# KiCad board protoboard-6x4-breakout.kicad_pcb (continued)
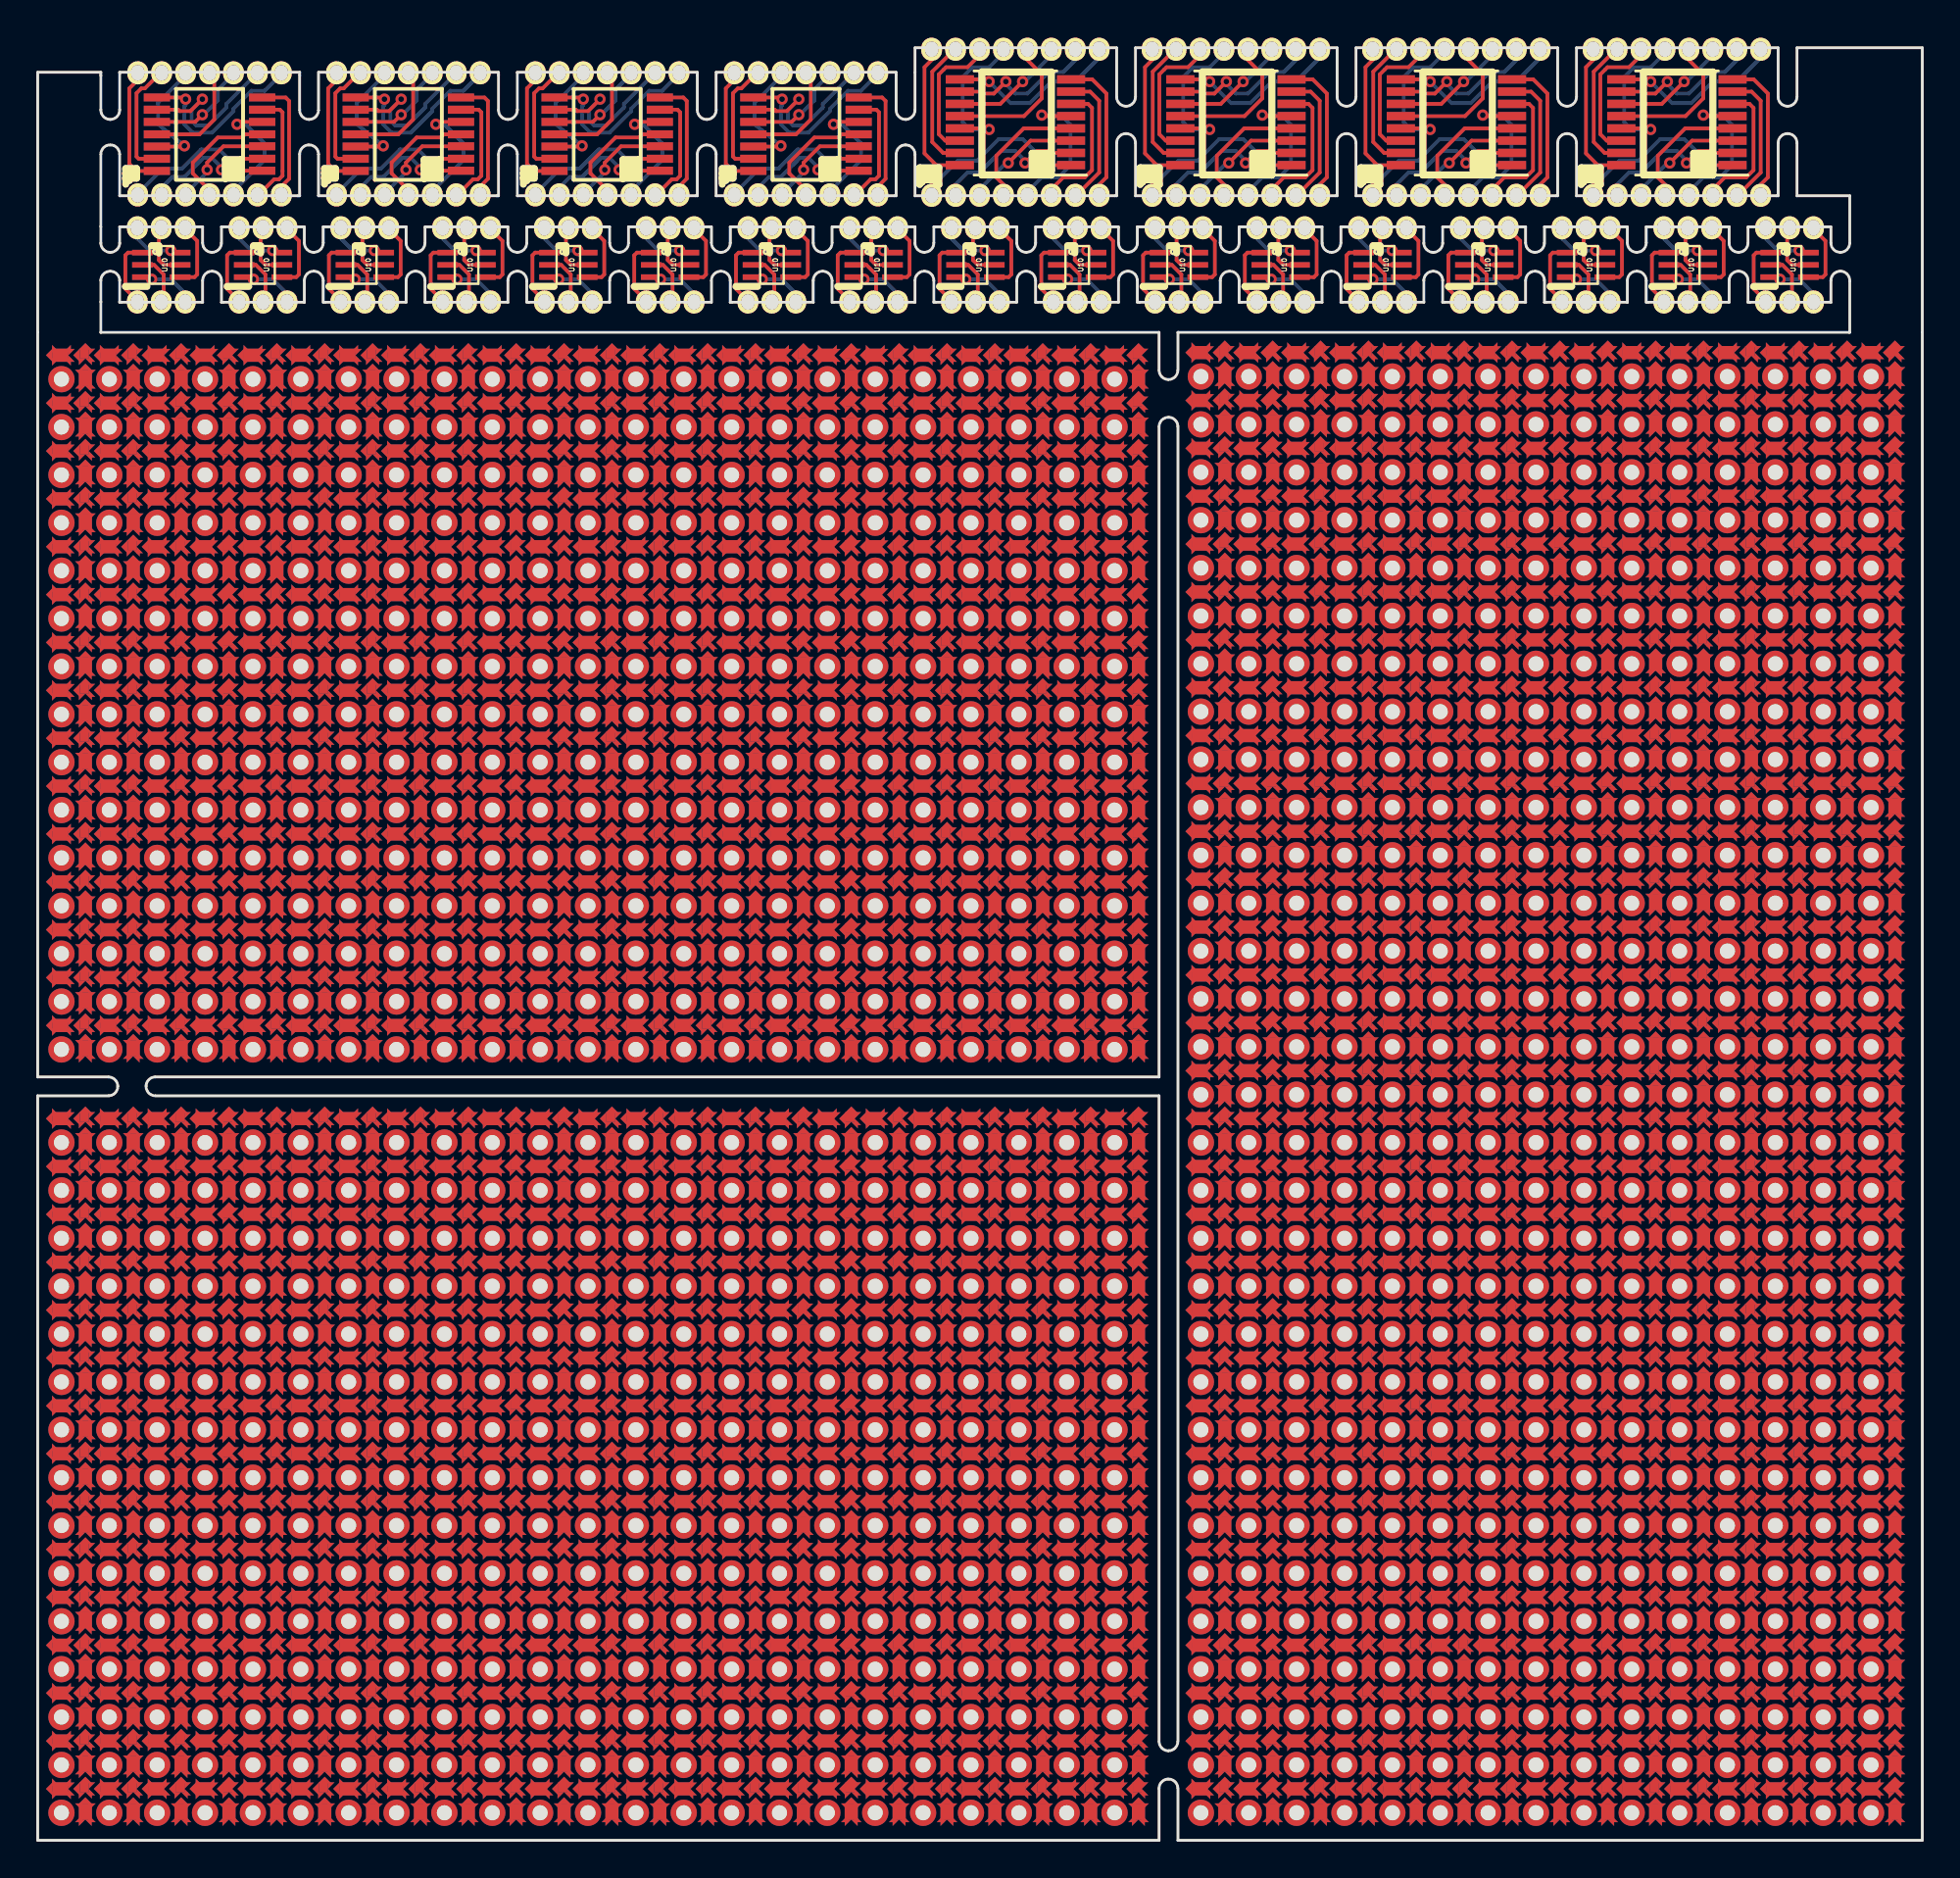
[diagram p0: board, top side]
## Placement (name value [footprint] x y rotation side) (continued)
REF**#3316  -  [tht-0.8]  76.96 34.48 0 top
REF**#3317  -  [tht-0.8]  79.5 34.48 0 top
REF**#3318  -  [tht-0.8]  82.04 34.48 0 top
REF**#3319  pad-between  [pad-between-spiked]  76.96 33.21 90 top
REF**#3320  pad-between  [pad-between-spiked]  79.5 33.21 90 top
REF**#3321  pad-between  [pad-between-spiked]  78.23 34.48 0 top
REF**#3322  pad-between  [pad-between-spiked]  78.23 31.94 0 top
REF**#3323  center-pad  [center-pad-spikes]  78.23 33.21 0 top
REF**#3324  center-pad  [center-pad-spikes]  80.77 33.21 0 top
REF**#3325  pad-between  [pad-between-spiked]  80.77 31.94 0 top
REF**#3326  pad-between  [pad-between-spiked]  80.77 34.48 0 top
REF**#3327  pad-between  [pad-between-spiked]  82.04 33.21 90 top
REF**#3328  pad-between  [pad-between-spiked]  83.31 34.48 0 top
REF**#3329  pad-between  [pad-between-spiked]  83.31 31.94 0 top
REF**#3330  center-pad  [center-pad-spikes]  83.31 33.21 0 top
REF**#3331  center-pad  [center-pad-spikes]  83.31 35.75 0 top
REF**#3332  pad-between  [pad-between-spiked]  82.04 35.75 90 top
REF**#3333  center-pad  [center-pad-spikes]  80.77 35.75 0 top
REF**#3334  center-pad  [center-pad-spikes]  78.23 35.75 0 top
REF**#3335  pad-between  [pad-between-spiked]  79.5 35.75 90 top
REF**#3336  pad-between  [pad-between-spiked]  76.96 35.75 90 top
REF**#3337  pad-between  [pad-between-spiked]  84.58 35.75 90 top
REF**#3338  pad-between  [pad-between-spiked]  87.12 35.75 90 top
REF**#3339  center-pad  [center-pad-spikes]  85.85 35.75 0 top
REF**#3340  center-pad  [center-pad-spikes]  88.39 35.75 0 top
REF**#3341  pad-between  [pad-between-spiked]  89.66 35.75 90 top
REF**#3342  center-pad  [center-pad-spikes]  90.93 35.75 0 top
REF**#3343  center-pad  [center-pad-spikes]  90.93 33.21 0 top
REF**#3344  pad-between  [pad-between-spiked]  90.93 31.94 0 top
REF**#3345  pad-between  [pad-between-spiked]  90.93 34.48 0 top
REF**#3346  pad-between  [pad-between-spiked]  89.66 33.21 90 top
REF**#3347  pad-between  [pad-between-spiked]  88.39 34.48 0 top
REF**#3348  pad-between  [pad-between-spiked]  88.39 31.94 0 top
REF**#3349  center-pad  [center-pad-spikes]  88.39 33.21 0 top
REF**#3350  center-pad  [center-pad-spikes]  85.85 33.21 0 top
REF**#3351  pad-between  [pad-between-spiked]  85.85 31.94 0 top
REF**#3352  pad-between  [pad-between-spiked]  85.85 34.48 0 top
REF**#3353  pad-between  [pad-between-spiked]  87.12 33.21 90 top
REF**#3354  pad-between  [pad-between-spiked]  84.58 33.21 90 top
REF**#3355  -  [tht-0.8]  89.66 34.48 0 top
REF**#3356  -  [tht-0.8]  87.12 34.48 0 top
REF**#3357  -  [tht-0.8]  84.58 34.48 0 top
REF**#3358  -  [tht-0.8]  84.58 31.94 0 top
REF**#3359  -  [tht-0.8]  87.12 31.94 0 top
REF**#3360  -  [tht-0.8]  89.66 31.94 0 top
REF**#3361  -  [tht-0.8]  89.66 37.02 0 top
REF**#3362  -  [tht-0.8]  87.12 37.02 0 top
REF**#3363  -  [tht-0.8]  84.58 37.02 0 top
REF**#3364  -  [tht-0.8]  84.58 39.56 0 top
REF**#3365  -  [tht-0.8]  87.12 39.56 0 top
REF**#3366  -  [tht-0.8]  89.66 39.56 0 top
REF**#3367  pad-between  [pad-between-spiked]  84.58 38.29 90 top
REF**#3368  pad-between  [pad-between-spiked]  87.12 38.29 90 top
REF**#3369  pad-between  [pad-between-spiked]  85.85 39.56 0 top
REF**#3370  pad-between  [pad-between-spiked]  85.85 37.02 0 top
REF**#3371  center-pad  [center-pad-spikes]  85.85 38.29 0 top
REF**#3372  center-pad  [center-pad-spikes]  88.39 38.29 0 top
REF**#3373  pad-between  [pad-between-spiked]  88.39 37.02 0 top
REF**#3374  pad-between  [pad-between-spiked]  88.39 39.56 0 top
REF**#3375  pad-between  [pad-between-spiked]  89.66 38.29 90 top
REF**#3376  pad-between  [pad-between-spiked]  90.93 39.56 0 top
REF**#3377  pad-between  [pad-between-spiked]  90.93 37.02 0 top
REF**#3378  center-pad  [center-pad-spikes]  90.93 38.29 0 top
REF**#3379  center-pad  [center-pad-spikes]  90.93 40.83 0 top
REF**#3380  pad-between  [pad-between-spiked]  89.66 40.83 90 top
REF**#3381  center-pad  [center-pad-spikes]  88.39 40.83 0 top
REF**#3382  center-pad  [center-pad-spikes]  85.85 40.83 0 top
REF**#3383  pad-between  [pad-between-spiked]  87.12 40.83 90 top
REF**#3384  pad-between  [pad-between-spiked]  84.58 40.83 90 top
REF**#3385  pad-between  [pad-between-spiked]  76.96 40.83 90 top
REF**#3386  pad-between  [pad-between-spiked]  79.5 40.83 90 top
REF**#3387  center-pad  [center-pad-spikes]  78.23 40.83 0 top
REF**#3388  center-pad  [center-pad-spikes]  80.77 40.83 0 top
REF**#3389  pad-between  [pad-between-spiked]  82.04 40.83 90 top
REF**#3390  center-pad  [center-pad-spikes]  83.31 40.83 0 top
REF**#3391  center-pad  [center-pad-spikes]  83.31 38.29 0 top
REF**#3392  pad-between  [pad-between-spiked]  83.31 37.02 0 top
REF**#3393  pad-between  [pad-between-spiked]  83.31 39.56 0 top
REF**#3394  pad-between  [pad-between-spiked]  82.04 38.29 90 top
REF**#3395  pad-between  [pad-between-spiked]  80.77 39.56 0 top
REF**#3396  pad-between  [pad-between-spiked]  80.77 37.02 0 top
REF**#3397  center-pad  [center-pad-spikes]  80.77 38.29 0 top
REF**#3398  center-pad  [center-pad-spikes]  78.23 38.29 0 top
REF**#3399  pad-between  [pad-between-spiked]  78.23 37.02 0 top
REF**#3400  pad-between  [pad-between-spiked]  78.23 39.56 0 top
REF**#3401  pad-between  [pad-between-spiked]  79.5 38.29 90 top
REF**#3402  pad-between  [pad-between-spiked]  76.96 38.29 90 top
REF**#3403  -  [tht-0.8]  82.04 39.56 0 top
REF**#3404  -  [tht-0.8]  79.5 39.56 0 top
REF**#3405  -  [tht-0.8]  76.96 39.56 0 top
REF**#3406  -  [tht-0.8]  76.96 37.02 0 top
REF**#3407  -  [tht-0.8]  79.5 37.02 0 top
REF**#3408  -  [tht-0.8]  82.04 37.02 0 top
REF**#3409  -  [tht-0.8]  74.42 37.02 0 top
REF**#3410  -  [tht-0.8]  71.88 37.02 0 top
REF**#3411  -  [tht-0.8]  69.34 37.02 0 top
REF**#3412  -  [tht-0.8]  69.34 39.56 0 top
REF**#3413  -  [tht-0.8]  71.88 39.56 0 top
REF**#3414  -  [tht-0.8]  74.42 39.56 0 top
REF**#3415  pad-between  [pad-between-spiked]  69.34 38.29 90 top
REF**#3416  pad-between  [pad-between-spiked]  71.88 38.29 90 top
REF**#3417  pad-between  [pad-between-spiked]  70.61 39.56 0 top
REF**#3418  pad-between  [pad-between-spiked]  70.61 37.02 0 top
REF**#3419  center-pad  [center-pad-spikes]  70.61 38.29 0 top
REF**#3420  center-pad  [center-pad-spikes]  73.15 38.29 0 top
REF**#3421  pad-between  [pad-between-spiked]  73.15 37.02 0 top
REF**#3422  pad-between  [pad-between-spiked]  73.15 39.56 0 top
REF**#3423  pad-between  [pad-between-spiked]  74.42 38.29 90 top
REF**#3424  pad-between  [pad-between-spiked]  75.69 39.56 0 top
REF**#3425  pad-between  [pad-between-spiked]  75.69 37.02 0 top
REF**#3426  center-pad  [center-pad-spikes]  75.69 38.29 0 top
REF**#3427  center-pad  [center-pad-spikes]  75.69 40.83 0 top
REF**#3428  pad-between  [pad-between-spiked]  74.42 40.83 90 top
REF**#3429  center-pad  [center-pad-spikes]  73.15 40.83 0 top
REF**#3430  center-pad  [center-pad-spikes]  70.61 40.83 0 top
REF**#3431  pad-between  [pad-between-spiked]  71.88 40.83 90 top
REF**#3432  pad-between  [pad-between-spiked]  69.34 40.83 90 top
REF**#3433  pad-between  [pad-between-spiked]  61.72 40.83 90 top
REF**#3434  pad-between  [pad-between-spiked]  64.26 40.83 90 top
REF**#3435  center-pad  [center-pad-spikes]  62.99 40.83 0 top
REF**#3436  center-pad  [center-pad-spikes]  65.53 40.83 0 top
REF**#3437  pad-between  [pad-between-spiked]  66.8 40.83 90 top
REF**#3438  center-pad  [center-pad-spikes]  68.07 40.83 0 top
REF**#3439  center-pad  [center-pad-spikes]  68.07 38.29 0 top
REF**#3440  pad-between  [pad-between-spiked]  68.07 37.02 0 top
REF**#3441  pad-between  [pad-between-spiked]  68.07 39.56 0 top
REF**#3442  pad-between  [pad-between-spiked]  66.8 38.29 90 top
REF**#3443  pad-between  [pad-between-spiked]  65.53 39.56 0 top
REF**#3444  pad-between  [pad-between-spiked]  65.53 37.02 0 top
REF**#3445  center-pad  [center-pad-spikes]  65.53 38.29 0 top
REF**#3446  center-pad  [center-pad-spikes]  62.99 38.29 0 top
REF**#3447  pad-between  [pad-between-spiked]  62.99 37.02 0 top
REF**#3448  pad-between  [pad-between-spiked]  62.99 39.56 0 top
REF**#3449  pad-between  [pad-between-spiked]  64.26 38.29 90 top
REF**#3450  pad-between  [pad-between-spiked]  61.72 38.29 90 top
REF**#3451  -  [tht-0.8]  66.8 39.56 0 top
REF**#3452  -  [tht-0.8]  64.26 39.56 0 top
REF**#3453  -  [tht-0.8]  61.72 39.56 0 top
REF**#3454  -  [tht-0.8]  61.72 37.02 0 top
REF**#3455  -  [tht-0.8]  64.26 37.02 0 top
REF**#3456  -  [tht-0.8]  66.8 37.02 0 top
REF**#3457  -  [tht-0.8]  97.28 37.02 0 top
REF**#3458  -  [tht-0.8]  94.74 37.02 0 top
REF**#3459  -  [tht-0.8]  92.2 37.02 0 top
REF**#3460  -  [tht-0.8]  92.2 39.56 0 top
REF**#3461  -  [tht-0.8]  94.74 39.56 0 top
REF**#3462  -  [tht-0.8]  97.28 39.56 0 top
REF**#3463  pad-between  [pad-between-spiked]  92.2 38.29 90 top
REF**#3464  pad-between  [pad-between-spiked]  94.74 38.29 90 top
REF**#3465  pad-between  [pad-between-spiked]  93.47 39.56 0 top
REF**#3466  pad-between  [pad-between-spiked]  93.47 37.02 0 top
REF**#3467  center-pad  [center-pad-spikes]  93.47 38.29 0 top
REF**#3468  center-pad  [center-pad-spikes]  96.01 38.29 0 top
REF**#3469  pad-between  [pad-between-spiked]  96.01 37.02 0 top
REF**#3470  pad-between  [pad-between-spiked]  96.01 39.56 0 top
REF**#3471  pad-between  [pad-between-spiked]  97.28 38.29 90 top
REF**#3472  pad-between  [pad-between-spiked]  98.55 39.56 0 top
REF**#3473  pad-between  [pad-between-spiked]  98.55 37.02 0 top
REF**#3474  center-pad  [center-pad-spikes]  98.55 38.29 0 top
REF**#3475  center-pad  [center-pad-spikes]  98.55 40.83 0 top
REF**#3476  pad-between  [pad-between-spiked]  97.28 40.83 90 top
REF**#3477  center-pad  [center-pad-spikes]  96.01 40.83 0 top
REF**#3478  center-pad  [center-pad-spikes]  93.47 40.83 0 top
REF**#3479  pad-between  [pad-between-spiked]  94.74 40.83 90 top
REF**#3480  pad-between  [pad-between-spiked]  92.2 40.83 90 top
REF**#3481  pad-between  [pad-between-spiked]  92.2 30.67 90 top
REF**#3482  pad-between  [pad-between-spiked]  94.74 30.67 90 top
REF**#3483  center-pad  [center-pad-spikes]  93.47 30.67 0 top
REF**#3484  center-pad  [center-pad-spikes]  96.01 30.67 0 top
REF**#3485  pad-between  [pad-between-spiked]  97.28 30.67 90 top
REF**#3486  center-pad  [center-pad-spikes]  98.55 30.67 0 top
REF**#3487  center-pad  [center-pad-spikes]  98.55 28.13 0 top
REF**#3488  pad-between  [pad-between-spiked]  98.55 26.86 0 top
REF**#3489  pad-between  [pad-between-spiked]  98.55 29.4 0 top
REF**#3490  pad-between  [pad-between-spiked]  97.28 28.13 90 top
REF**#3491  pad-between  [pad-between-spiked]  96.01 29.4 0 top
REF**#3492  pad-between  [pad-between-spiked]  96.01 26.86 0 top
REF**#3493  center-pad  [center-pad-spikes]  96.01 28.13 0 top
REF**#3494  center-pad  [center-pad-spikes]  93.47 28.13 0 top
REF**#3495  pad-between  [pad-between-spiked]  93.47 26.86 0 top
REF**#3496  pad-between  [pad-between-spiked]  93.47 29.4 0 top
REF**#3497  pad-between  [pad-between-spiked]  94.74 28.13 90 top
REF**#3498  pad-between  [pad-between-spiked]  92.2 28.13 90 top
REF**#3499  -  [tht-0.8]  97.28 29.4 0 top
REF**#3500  -  [tht-0.8]  94.74 29.4 0 top
REF**#3501  -  [tht-0.8]  92.2 29.4 0 top
REF**#3502  -  [tht-0.8]  92.2 26.86 0 top
REF**#3503  -  [tht-0.8]  94.74 26.86 0 top
REF**#3504  -  [tht-0.8]  97.28 26.86 0 top
REF**#3505  -  [tht-0.8]  66.8 26.86 0 top
REF**#3506  -  [tht-0.8]  64.26 26.86 0 top
REF**#3507  -  [tht-0.8]  61.72 26.86 0 top
REF**#3508  -  [tht-0.8]  61.72 29.4 0 top
REF**#3509  -  [tht-0.8]  64.26 29.4 0 top
REF**#3510  -  [tht-0.8]  66.8 29.4 0 top
REF**#3511  pad-between  [pad-between-spiked]  61.72 28.13 90 top
REF**#3512  pad-between  [pad-between-spiked]  64.26 28.13 90 top
REF**#3513  pad-between  [pad-between-spiked]  62.99 29.4 0 top
REF**#3514  pad-between  [pad-between-spiked]  62.99 26.86 0 top
REF**#3515  center-pad  [center-pad-spikes]  62.99 28.13 0 top
REF**#3516  center-pad  [center-pad-spikes]  65.53 28.13 0 top
REF**#3517  pad-between  [pad-between-spiked]  65.53 26.86 0 top
REF**#3518  pad-between  [pad-between-spiked]  65.53 29.4 0 top
REF**#3519  pad-between  [pad-between-spiked]  66.8 28.13 90 top
REF**#3520  pad-between  [pad-between-spiked]  68.07 29.4 0 top
REF**#3521  pad-between  [pad-between-spiked]  68.07 26.86 0 top
REF**#3522  center-pad  [center-pad-spikes]  68.07 28.13 0 top
REF**#3523  center-pad  [center-pad-spikes]  68.07 30.67 0 top
REF**#3524  pad-between  [pad-between-spiked]  66.8 30.67 90 top
REF**#3525  center-pad  [center-pad-spikes]  65.53 30.67 0 top
REF**#3526  center-pad  [center-pad-spikes]  62.99 30.67 0 top
REF**#3527  pad-between  [pad-between-spiked]  64.26 30.67 90 top
REF**#3528  pad-between  [pad-between-spiked]  61.72 30.67 90 top
REF**#3529  pad-between  [pad-between-spiked]  69.34 30.67 90 top
REF**#3530  pad-between  [pad-between-spiked]  71.88 30.67 90 top
REF**#3531  center-pad  [center-pad-spikes]  70.61 30.67 0 top
REF**#3532  center-pad  [center-pad-spikes]  73.15 30.67 0 top
REF**#3533  pad-between  [pad-between-spiked]  74.42 30.67 90 top
REF**#3534  center-pad  [center-pad-spikes]  75.69 30.67 0 top
REF**#3535  center-pad  [center-pad-spikes]  75.69 28.13 0 top
REF**#3536  pad-between  [pad-between-spiked]  75.69 26.86 0 top
REF**#3537  pad-between  [pad-between-spiked]  75.69 29.4 0 top
REF**#3538  pad-between  [pad-between-spiked]  74.42 28.13 90 top
REF**#3539  pad-between  [pad-between-spiked]  73.15 29.4 0 top
REF**#3540  pad-between  [pad-between-spiked]  73.15 26.86 0 top
REF**#3541  center-pad  [center-pad-spikes]  73.15 28.13 0 top
REF**#3542  center-pad  [center-pad-spikes]  70.61 28.13 0 top
REF**#3543  pad-between  [pad-between-spiked]  70.61 26.86 0 top
REF**#3544  pad-between  [pad-between-spiked]  70.61 29.4 0 top
REF**#3545  pad-between  [pad-between-spiked]  71.88 28.13 90 top
REF**#3546  pad-between  [pad-between-spiked]  69.34 28.13 90 top
REF**#3547  -  [tht-0.8]  74.42 29.4 0 top
REF**#3548  -  [tht-0.8]  71.88 29.4 0 top
REF**#3549  -  [tht-0.8]  69.34 29.4 0 top
REF**#3550  -  [tht-0.8]  69.34 26.86 0 top
REF**#3551  -  [tht-0.8]  71.88 26.86 0 top
REF**#3552  -  [tht-0.8]  74.42 26.86 0 top
REF**#3553  -  [tht-0.8]  82.04 26.86 0 top
REF**#3554  -  [tht-0.8]  79.5 26.86 0 top
REF**#3555  -  [tht-0.8]  76.96 26.86 0 top
REF**#3556  -  [tht-0.8]  76.96 29.4 0 top
REF**#3557  -  [tht-0.8]  79.5 29.4 0 top
REF**#3558  -  [tht-0.8]  82.04 29.4 0 top
REF**#3559  pad-between  [pad-between-spiked]  76.96 28.13 90 top
REF**#3560  pad-between  [pad-between-spiked]  79.5 28.13 90 top
REF**#3561  pad-between  [pad-between-spiked]  78.23 29.4 0 top
REF**#3562  pad-between  [pad-between-spiked]  78.23 26.86 0 top
REF**#3563  center-pad  [center-pad-spikes]  78.23 28.13 0 top
REF**#3564  center-pad  [center-pad-spikes]  80.77 28.13 0 top
REF**#3565  pad-between  [pad-between-spiked]  80.77 26.86 0 top
REF**#3566  pad-between  [pad-between-spiked]  80.77 29.4 0 top
REF**#3567  pad-between  [pad-between-spiked]  82.04 28.13 90 top
REF**#3568  pad-between  [pad-between-spiked]  83.31 29.4 0 top
REF**#3569  pad-between  [pad-between-spiked]  83.31 26.86 0 top
REF**#3570  center-pad  [center-pad-spikes]  83.31 28.13 0 top
REF**#3571  center-pad  [center-pad-spikes]  83.31 30.67 0 top
REF**#3572  pad-between  [pad-between-spiked]  82.04 30.67 90 top
REF**#3573  center-pad  [center-pad-spikes]  80.77 30.67 0 top
REF**#3574  center-pad  [center-pad-spikes]  78.23 30.67 0 top
REF**#3575  pad-between  [pad-between-spiked]  79.5 30.67 90 top
REF**#3576  pad-between  [pad-between-spiked]  76.96 30.67 90 top
REF**#3577  pad-between  [pad-between-spiked]  84.58 30.67 90 top
REF**#3578  pad-between  [pad-between-spiked]  87.12 30.67 90 top
REF**#3579  center-pad  [center-pad-spikes]  85.85 30.67 0 top
REF**#3580  center-pad  [center-pad-spikes]  88.39 30.67 0 top
REF**#3581  pad-between  [pad-between-spiked]  89.66 30.67 90 top
REF**#3582  center-pad  [center-pad-spikes]  90.93 30.67 0 top
REF**#3583  center-pad  [center-pad-spikes]  90.93 28.13 0 top
REF**#3584  pad-between  [pad-between-spiked]  90.93 26.86 0 top
REF**#3585  pad-between  [pad-between-spiked]  90.93 29.4 0 top
REF**#3586  pad-between  [pad-between-spiked]  89.66 28.13 90 top
REF**#3587  pad-between  [pad-between-spiked]  88.39 29.4 0 top
REF**#3588  pad-between  [pad-between-spiked]  88.39 26.86 0 top
REF**#3589  center-pad  [center-pad-spikes]  88.39 28.13 0 top
REF**#3590  center-pad  [center-pad-spikes]  85.85 28.13 0 top
REF**#3591  pad-between  [pad-between-spiked]  85.85 26.86 0 top
REF**#3592  pad-between  [pad-between-spiked]  85.85 29.4 0 top
REF**#3593  pad-between  [pad-between-spiked]  87.12 28.13 90 top
REF**#3594  pad-between  [pad-between-spiked]  84.58 28.13 90 top
REF**#3595  -  [tht-0.8]  89.66 29.4 0 top
REF**#3596  -  [tht-0.8]  87.12 29.4 0 top
REF**#3597  -  [tht-0.8]  84.58 29.4 0 top
REF**#3598  -  [tht-0.8]  84.58 26.86 0 top
REF**#3599  -  [tht-0.8]  87.12 26.86 0 top
REF**#3600  -  [tht-0.8]  89.66 26.86 0 top
REF**#3601  -  [tht-0.8]  89.66 21.78 0 top
REF**#3602  -  [tht-0.8]  87.12 21.78 0 top
REF**#3603  -  [tht-0.8]  84.58 21.78 0 top
REF**#3604  -  [tht-0.8]  84.58 24.32 0 top
REF**#3605  -  [tht-0.8]  87.12 24.32 0 top
REF**#3606  -  [tht-0.8]  89.66 24.32 0 top
REF**#3607  pad-between  [pad-between-spiked]  84.58 23.05 90 top
REF**#3608  pad-between  [pad-between-spiked]  87.12 23.05 90 top
REF**#3609  pad-between  [pad-between-spiked]  85.85 24.32 0 top
REF**#3610  pad-between  [pad-between-spiked]  85.85 21.78 0 top
REF**#3611  center-pad  [center-pad-spikes]  85.85 23.05 0 top
REF**#3612  center-pad  [center-pad-spikes]  88.39 23.05 0 top
REF**#3613  pad-between  [pad-between-spiked]  88.39 21.78 0 top
REF**#3614  pad-between  [pad-between-spiked]  88.39 24.32 0 top
REF**#3615  pad-between  [pad-between-spiked]  89.66 23.05 90 top
REF**#3616  pad-between  [pad-between-spiked]  90.93 24.32 0 top
REF**#3617  pad-between  [pad-between-spiked]  90.93 21.78 0 top
REF**#3618  center-pad  [center-pad-spikes]  90.93 23.05 0 top
REF**#3619  center-pad  [center-pad-spikes]  90.93 25.59 0 top
REF**#3620  pad-between  [pad-between-spiked]  89.66 25.59 90 top
REF**#3621  center-pad  [center-pad-spikes]  88.39 25.59 0 top
REF**#3622  center-pad  [center-pad-spikes]  85.85 25.59 0 top
REF**#3623  pad-between  [pad-between-spiked]  87.12 25.59 90 top
REF**#3624  pad-between  [pad-between-spiked]  84.58 25.59 90 top
REF**#3625  pad-between  [pad-between-spiked]  76.96 25.59 90 top
REF**#3626  pad-between  [pad-between-spiked]  79.5 25.59 90 top
REF**#3627  center-pad  [center-pad-spikes]  78.23 25.59 0 top
REF**#3628  center-pad  [center-pad-spikes]  80.77 25.59 0 top
REF**#3629  pad-between  [pad-between-spiked]  82.04 25.59 90 top
REF**#3630  center-pad  [center-pad-spikes]  83.31 25.59 0 top
REF**#3631  center-pad  [center-pad-spikes]  83.31 23.05 0 top
REF**#3632  pad-between  [pad-between-spiked]  83.31 21.78 0 top
REF**#3633  pad-between  [pad-between-spiked]  83.31 24.32 0 top
REF**#3634  pad-between  [pad-between-spiked]  82.04 23.05 90 top
REF**#3635  pad-between  [pad-between-spiked]  80.77 24.32 0 top
REF**#3636  pad-between  [pad-between-spiked]  80.77 21.78 0 top
REF**#3637  center-pad  [center-pad-spikes]  80.77 23.05 0 top
REF**#3638  center-pad  [center-pad-spikes]  78.23 23.05 0 top
REF**#3639  pad-between  [pad-between-spiked]  78.23 21.78 0 top
REF**#3640  pad-between  [pad-between-spiked]  78.23 24.32 0 top
REF**#3641  pad-between  [pad-between-spiked]  79.5 23.05 90 top
REF**#3642  pad-between  [pad-between-spiked]  76.96 23.05 90 top
REF**#3643  -  [tht-0.8]  82.04 24.32 0 top
REF**#3644  -  [tht-0.8]  79.5 24.32 0 top
REF**#3645  -  [tht-0.8]  76.96 24.32 0 top
REF**#3646  -  [tht-0.8]  76.96 21.78 0 top
REF**#3647  -  [tht-0.8]  79.5 21.78 0 top
REF**#3648  -  [tht-0.8]  82.04 21.78 0 top
REF**#3649  -  [tht-0.8]  74.42 21.78 0 top
REF**#3650  -  [tht-0.8]  71.88 21.78 0 top
REF**#3651  -  [tht-0.8]  69.34 21.78 0 top
REF**#3652  -  [tht-0.8]  69.34 24.32 0 top
REF**#3653  -  [tht-0.8]  71.88 24.32 0 top
REF**#3654  -  [tht-0.8]  74.42 24.32 0 top
REF**#3655  pad-between  [pad-between-spiked]  69.34 23.05 90 top
REF**#3656  pad-between  [pad-between-spiked]  71.88 23.05 90 top
REF**#3657  pad-between  [pad-between-spiked]  70.61 24.32 0 top
REF**#3658  pad-between  [pad-between-spiked]  70.61 21.78 0 top
REF**#3659  center-pad  [center-pad-spikes]  70.61 23.05 0 top
REF**#3660  center-pad  [center-pad-spikes]  73.15 23.05 0 top
REF**#3661  pad-between  [pad-between-spiked]  73.15 21.78 0 top
REF**#3662  pad-between  [pad-between-spiked]  73.15 24.32 0 top
REF**#3663  pad-between  [pad-between-spiked]  74.42 23.05 90 top
REF**#3664  pad-between  [pad-between-spiked]  75.69 24.32 0 top
REF**#3665  pad-between  [pad-between-spiked]  75.69 21.78 0 top
REF**#3666  center-pad  [center-pad-spikes]  75.69 23.05 0 top
REF**#3667  center-pad  [center-pad-spikes]  75.69 25.59 0 top
REF**#3668  pad-between  [pad-between-spiked]  74.42 25.59 90 top
REF**#3669  center-pad  [center-pad-spikes]  73.15 25.59 0 top
REF**#3670  center-pad  [center-pad-spikes]  70.61 25.59 0 top
REF**#3671  pad-between  [pad-between-spiked]  71.88 25.59 90 top
REF**#3672  pad-between  [pad-between-spiked]  69.34 25.59 90 top
REF**#3673  pad-between  [pad-between-spiked]  61.72 25.59 90 top
REF**#3674  pad-between  [pad-between-spiked]  64.26 25.59 90 top
REF**#3675  center-pad  [center-pad-spikes]  62.99 25.59 0 top
REF**#3676  center-pad  [center-pad-spikes]  65.53 25.59 0 top
REF**#3677  pad-between  [pad-between-spiked]  66.8 25.59 90 top
REF**#3678  center-pad  [center-pad-spikes]  68.07 25.59 0 top
REF**#3679  center-pad  [center-pad-spikes]  68.07 23.05 0 top
REF**#3680  pad-between  [pad-between-spiked]  68.07 21.78 0 top
REF**#3681  pad-between  [pad-between-spiked]  68.07 24.32 0 top
REF**#3682  pad-between  [pad-between-spiked]  66.8 23.05 90 top
REF**#3683  pad-between  [pad-between-spiked]  65.53 24.32 0 top
REF**#3684  pad-between  [pad-between-spiked]  65.53 21.78 0 top
REF**#3685  center-pad  [center-pad-spikes]  65.53 23.05 0 top
REF**#3686  center-pad  [center-pad-spikes]  62.99 23.05 0 top
REF**#3687  pad-between  [pad-between-spiked]  62.99 21.78 0 top
REF**#3688  pad-between  [pad-between-spiked]  62.99 24.32 0 top
REF**#3689  pad-between  [pad-between-spiked]  64.26 23.05 90 top
REF**#3690  pad-between  [pad-between-spiked]  61.72 23.05 90 top
REF**#3691  -  [tht-0.8]  66.8 24.32 0 top
REF**#3692  -  [tht-0.8]  64.26 24.32 0 top
REF**#3693  -  [tht-0.8]  61.72 24.32 0 top
REF**#3694  -  [tht-0.8]  61.72 21.78 0 top
REF**#3695  -  [tht-0.8]  64.26 21.78 0 top
REF**#3696  -  [tht-0.8]  66.8 21.78 0 top
REF**#3697  -  [tht-0.8]  97.28 21.78 0 top
REF**#3698  -  [tht-0.8]  94.74 21.78 0 top
REF**#3699  -  [tht-0.8]  92.2 21.78 0 top
REF**#3700  -  [tht-0.8]  92.2 24.32 0 top
REF**#3701  -  [tht-0.8]  94.74 24.32 0 top
REF**#3702  -  [tht-0.8]  97.28 24.32 0 top
REF**#3703  pad-between  [pad-between-spiked]  92.2 23.05 90 top
REF**#3704  pad-between  [pad-between-spiked]  94.74 23.05 90 top
REF**#3705  pad-between  [pad-between-spiked]  93.47 24.32 0 top
REF**#3706  pad-between  [pad-between-spiked]  93.47 21.78 0 top
REF**#3707  center-pad  [center-pad-spikes]  93.47 23.05 0 top
REF**#3708  center-pad  [center-pad-spikes]  96.01 23.05 0 top
REF**#3709  pad-between  [pad-between-spiked]  96.01 21.78 0 top
REF**#3710  pad-between  [pad-between-spiked]  96.01 24.32 0 top
REF**#3711  pad-between  [pad-between-spiked]  97.28 23.05 90 top
REF**#3712  pad-between  [pad-between-spiked]  98.55 24.32 0 top
REF**#3713  pad-between  [pad-between-spiked]  98.55 21.78 0 top
REF**#3714  center-pad  [center-pad-spikes]  98.55 23.05 0 top
REF**#3715  center-pad  [center-pad-spikes]  98.55 25.59 0 top
REF**#3716  pad-between  [pad-between-spiked]  97.28 25.59 90 top
REF**#3717  center-pad  [center-pad-spikes]  96.01 25.59 0 top
REF**#3718  center-pad  [center-pad-spikes]  93.47 25.59 0 top
REF**#3719  pad-between  [pad-between-spiked]  94.74 25.59 90 top
REF**#3720  pad-between  [pad-between-spiked]  92.2 25.59 90 top
REF**#3721  pad-between  [pad-between-spiked]  92.2 66.23 90 top
REF**#3722  pad-between  [pad-between-spiked]  94.74 66.23 90 top
REF**#3723  center-pad  [center-pad-spikes]  93.47 66.23 0 top
REF**#3724  center-pad  [center-pad-spikes]  96.01 66.23 0 top
REF**#3725  pad-between  [pad-between-spiked]  97.28 66.23 90 top
REF**#3726  center-pad  [center-pad-spikes]  98.55 66.23 0 top
REF**#3727  center-pad  [center-pad-spikes]  98.55 63.69 0 top
REF**#3728  pad-between  [pad-between-spiked]  98.55 62.42 0 top
REF**#3729  pad-between  [pad-between-spiked]  98.55 64.96 0 top
REF**#3730  pad-between  [pad-between-spiked]  97.28 63.69 90 top
REF**#3731  pad-between  [pad-between-spiked]  96.01 64.96 0 top
REF**#3732  pad-between  [pad-between-spiked]  96.01 62.42 0 top
REF**#3733  center-pad  [center-pad-spikes]  96.01 63.69 0 top